# Altium PCB fullCURRENT smarts.PcbDoc (part 2 of 2)
Units mil, origin at the board's own origin, x right, y up, seen from the top; angles counter-clockwise.
Board outline 6000 x 1800 mil, 4 copper layers (Top Layer, PWR, GND, Bottom Layer), stack 62 mil thick; 183 components, 160 nets, 700 pads, 325 vias.
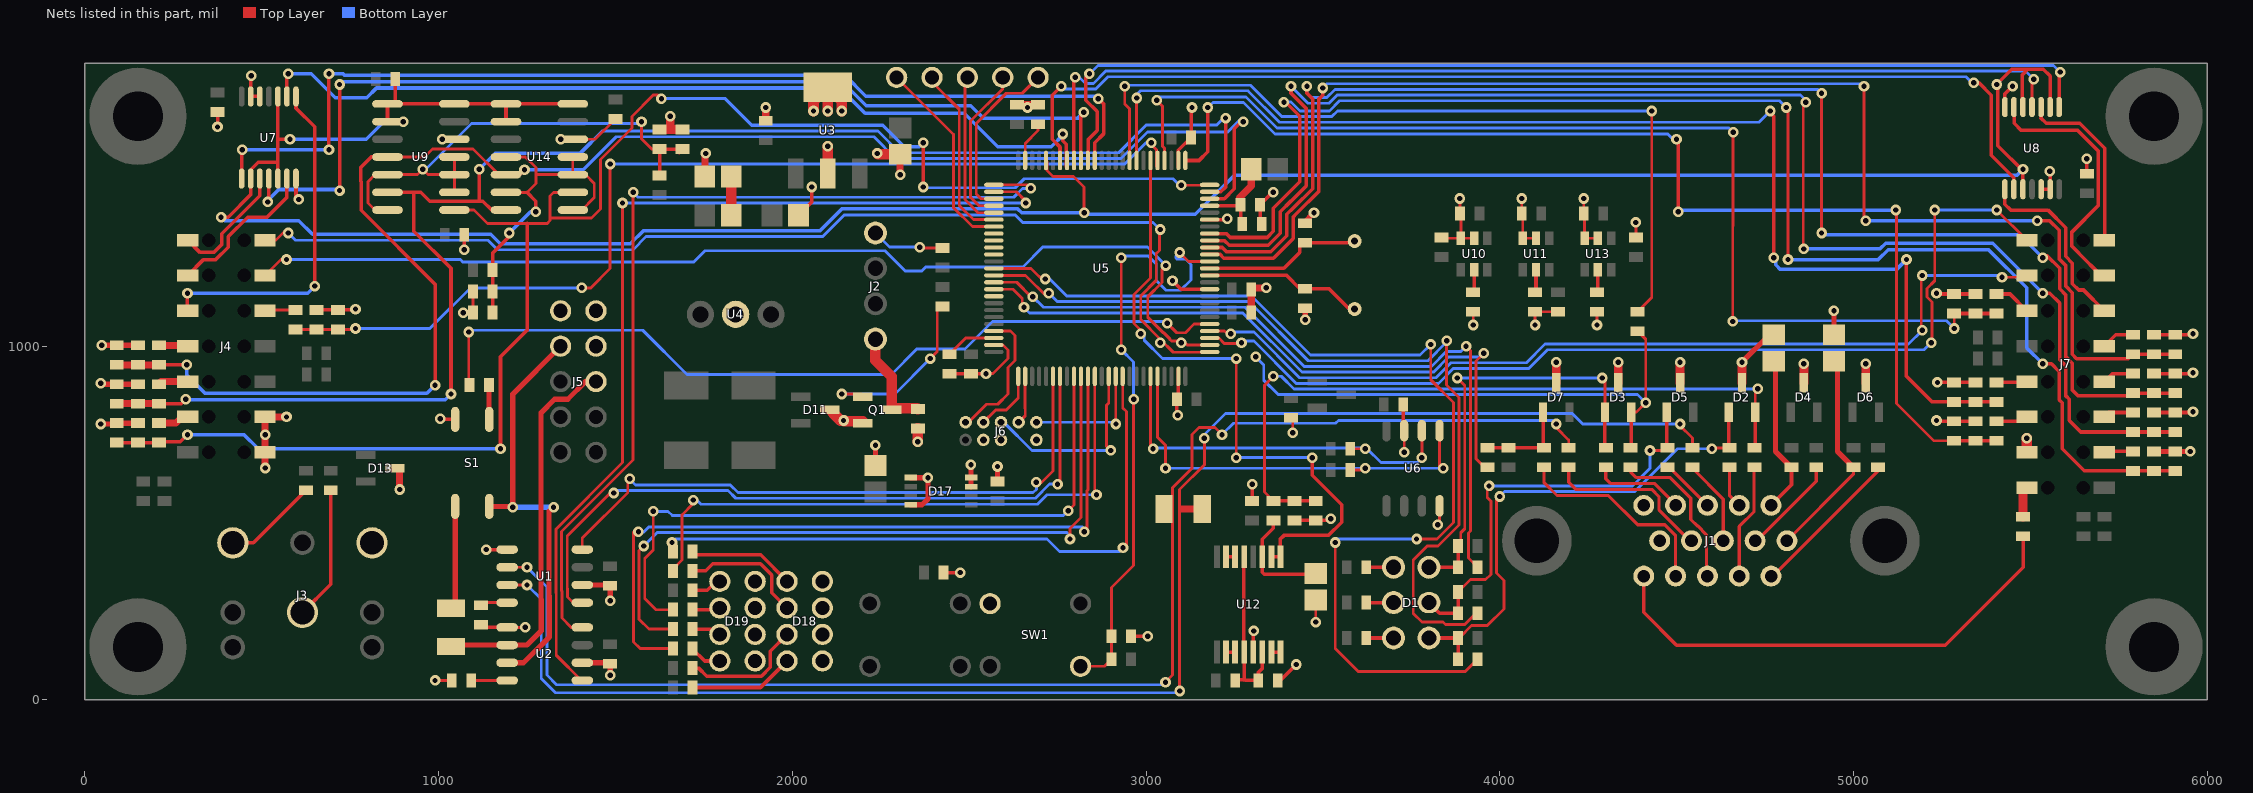
[diagram p4: the nets of this part, all layers, seen from the top]

## Via types
v1: diameter 30, hole 15, Top Layer to Bottom Layer, 319 vias
v2: diameter 50, hole 28, Top Layer to Bottom Layer, 6 vias

## Nets (pads, with @x,y where several pads share a name; then routed paths per layer and width w, separated by ;. In a path a pad name is that pad's centre, name@x,y a point inside that pad or via, vN(x,y) a via of type N, cw(c..) or ccw(c..) an arc to the next point about the centre after c; other vN are vias at no path point) (continued)
GND: C1.1 C2.1 C3.2 C4.2 C5.1 C6.1 C7.1 C8.2 C9.2 C10.2 C11.1 C12.1 C13.1 C14.1 C15.1 C16.1 C17.1 C18.1 C19.2 C20.2 C21.2 C22.2 C23.1 C24.1 C25.1 C26.1 C27.2 C28.1 C29.1 C30.1 C31.1 C32.1 C33.2 C34.1 C35.1 C36.1 C37.1 C38.2 C39.2 C40.1 C41.1 C42.1 C43.1 C44.1 C45.1 C46.1 C47.1 C48.1 C49.1 C50.1 D2.3 D3.3 D4.3 D5.3 D6.3 D7.3 D11.3 D13.3 D17.3 D17.4 D17.5 D17.8 D18.1 D18.3 D18.5 D18.7 D19.1 D19.3 D19.5 D19.7 J1.5 J1.10 J3.GND J4.12 J4.14 J5.8 J5.9 J5.10 J6.3 J6.5 J6.9 J7.13 Q1.2 R1.1 R10.1 R14.1 R15.1 R21.2 R36.1 R37.2 R42.2 R53.2 R56.2 R62.1 R63.1 R64.1 R66.2 R67.2 R71.1 R72.1 R73.1 R79.1 R80.1 R81.1 R83.1 R85.1 S1.2 SW1.2 U1.2 U1.5 U2.2 U2.5 U3.2 U3.4 U4.2 U5.10 U5.20 U5.27 U5.74 U5.99 U6.4 U6.7 U7.7 U7.12 U7.13 U8.7 U8.12 U8.13 U9.12 U10.2 U10.3 U11.2 U11.3 U12.13 U13.2 U13.3 U14.12 | length 6976.8
  Top Layer w8: v1(990,55) R10.1@1037.44,55 ; v1(1010,1585) U9.12@1044.49,1585 ; v1(1070,1095) C44.1@1097.44,1095 R53.2@1097.44,1155 ; U2.5@1193.7,205 v1(1245,205) ; v1(1345,1585) U14.12@1379.49,1585 1442.56,1585 C45.1@1500,1642.44 ; v1(2547.56,922.44) 2567.44,922.44 2610,965 2610,989 2608.44,990.56 2608.44,990.78 2598.54,1000.68 2598.32,1000.68 2595.54,1003.46 U5.74@2569.88,1003.46 ; v1(3415,755) R37.2@3415,797.44 ; v1(3480,220) C39.2@3480,282.6 ; v1(3730,700) U6.7@3730,761.3 ; v1(3825,495) 3830,490 U6.4@3830,548.7 ; C18.1@3837.56,1305 U10.3@3890.2,1305 ; C17.1@3887.44,1375 v1(3887.44,1417.56) ; C17.1@3890.2,1372.24 U10.3@3890.2,1305 ; v1(3925,1060) R14.1@3925,1097.44 ; U10.2@3927.6,1305 U10.3@3890.2,1305 ; C26.1@4062.44,1375 v1(4062.44,1417.44) ; C26.1@4065.2,1372.24 U11.3@4065.2,1305 U11.2@4102.6,1305 ; v1(4100,1060) R15.1@4100,1097.44 C31.1@4165,1097.44 ; C32.1@4237.44,1375 v1(4237.44,1417.44) ; C32.1@4240.2,1372.24 U13.3@4240.2,1305 U13.2@4277.6,1305 ; v1(4275,1060) R36.1@4275,1097.44 ; C34.1@4385,1307.56 v1(4385,1350)
  Top Layer w10: v1(375,1620) C28.1@375,1662.44 ; v1(470,1765) 468.82,1763.82 U7.13@468.82,1706.14 U7.12@494.41,1706.14 ; U7.7@596.77,1473.86 596.77,1423.23 v1(605,1415) ; R73.1@655,1102.56 C43.1@715,1102.56 762.56,1102.56 v1(765,1105) ; v1(1005,795) 1006.97,793.03 S1.2@1046.77,793.03 ; v1(1072.56,1272.56) C29.1@1072.56,1315 ; R1.1@1120,212.44 1127.44,205 U2.5@1193.7,205 ; v1(1135,425) U1.5@1193.7,425 ; C7.1@2017.4,1370 2055,1407.6 v1(2055,1450) ; R56.2@2427.56,360 v1(2475,360) ; C20.2@2445,922.44 C16.1@2505,922.44 v1(2547.56,922.44) ; U5.74@2546.54,1003.46 U5.74@2569.88,1003.46 ; C13.1@2635,1687.56 C21.2@2695,1687.56 ; C33.2@2957.56,180 v1(3005,180) ; v1(3075,1185) 3099.06,1160.94 U5.10@3160.43,1160.94 ; v1(3090,805) 3087.44,807.56 C11.1@3087.44,850 3091.54,854.09 U5.99@3091.54,934.57 ; U5.27@3091.54,1505.43 3091.54,1553.98 C15.1@3127.56,1590 3127.56,1667.56 3130,1670 v1(3130,1675) ; U5.20@3160.43,1357.8 U5.20@3197.74,1357.8 ; U5.20@3180.12,1357.8 3227.8,1357.8 v1(3230,1360) ; C40.1@3300,562.56 v1(3300,610) ; U12.13@3303.23,135.32 3303.23,193.23 v1(3305,195) ; C23.1@3322.56,1340 C24.1@3322.56,1400 v1@3357.56,1435 ; R66.2@3372.56,55 3380,55 v1(3425,100) ; C38.2@3420,507.44 R67.2@3480,507.44 3522.56,507.44 v1@3525,505 ; U6.7@3727.56,763.74 C27.2@3727.56,835 ; v1(5235,790) 5237.44,787.56 C48.1@5285,787.56 R81.1@5345,787.56 ; v1(5235,1150) 5240,1150 5242.44,1147.56 C37.1@5285,1147.56 R64.1@5345,1147.56 ; v1(5237.56,897.56) C50.1@5285,897.56 R85.1@5345,897.56 ; U8.7@5428.23,1676.14 5428.23,1713.17 5450,1734.95 v1(5450,1735) ; U8.12@5530.59,1443.86 U8.13@5556.18,1443.86 5556.18,1493.82 v1(5555,1495) ; C30.1@5660,1487.56 v1(5660,1530) ; R80.1@5850,812.56 C47.1@5910,812.56 5952.56,812.56 5955,815 v1(5960,815) ; R72.1@5850,922.56 C42.1@5910,922.56 5957.56,922.56 v1(5960,925) ; R63.1@5850,1032.56 C36.1@5910,1032.56 5957.56,1032.56 v1(5960,1035)
  Top Layer w15: v1(45,780) 87.44,780 C46.1@90,782.56 R79.1@150,782.56 ; v1(45,895) 47.44,892.56 C41.1@90,892.56 R71.1@150,892.56 ; v1(47.44,1002.56) C35.1@90,1002.56 R62.1@150,1002.56 ; U2.2@1406.3,105 C2.1@1482.44,105 ; U1.2@1406.3,325 C1.1@1482.44,325 ; v1@1485,65 v1(1485,70) C2.1@1485,102.44 C2.1@1485,107.44 ; v1(1485,280) C1.1@1485,322.44 ; C22.2@2235,662.4 v1(2235,720) ; D17.8@2334.55,551.61 2366.61,551.61 2383.39,568.39 v1(2383.39,628.39) D17.5@2334.55,628.39 ; v1@2505,660 2505.45,659.55 D17.4@2505.45,628.39 D17.3@2505.45,602.8 ; C19.2@2580,617.56 v1(2580,660) ; C10.2@3445,1347.56 v1(3475,1377.56) ; v1(3450,1075) C9.2@3450,1107.44 ; v1(4685,955) 4762.4,1032.4 C3.2@4775,1032.4 ; C4.2@4945,1032.4 v1(4945,1100) ; R83.1@5850,702.56 C49.1@5910,702.56 v1(5952.44,702.56)
  Top Layer w20: v1(509.5,655.5) J4.14@509.5,700 v1(509.5,749.5) J4.12@509.5,800 v1(570,800) ; v1(890,595) D13.3@890,648.66 ; C8.2@1752.6,1480 1752.6,1542.6 v1(1755,1545) ; C5.1@1925,1637.56 v1(1925,1675) ; v1(2305,1485) C6.1@2305,1542.6 ; C12.1@3297.56,1095 C14.1@3297.56,1160 3302.56,1165 v1(3340,1165)
  Top Layer w25: R42.2@1625,1612.56 1655,1612.56 ; v1(1655,1650) 1655,1612.56 ; C25.1@1690,1612.56 1655,1612.56 ; D7.3@4160,896.34 v1(4160,955) ; D3.3@4335,896.34 v1(4335,955) ; D5.3@4510,896.34 v1(4510,955) ; D2.3@4685,896.34 v1(4685,955) ; D4.3@4860,896.34 v1(4860,950) ; D6.3@5035,896.34 v1(5035,950)
  Top Layer w30: v1(2060,1665) 2060,1692.05 U3.4@2100,1732.05 ; U3.2@2100,1487.95 v1(2100,1565) ; v1(2100,1665) U3.4@2100,1732.05 ; D11.3@2115,815 2115,811.34 2136.34,790 v1(2145,790) 2147.4,787.6 Q1.2@2198.66,787.6 ; v1(2140,1665) 2140,1692.05 U3.4@2100,1732.05 ; v1(2240,1545) 2242.4,1542.6 C6.1@2305,1542.6 ; v1(2355,730) R21.2@2355,767.44 ; v1(5490,740) 5490.5,739.5 J7.13@5490.5,700
  other v1: 3522.56,512.44 2505,665 3360,1435 2665,1675
H\W\_\I\E\R\R\O\R\: R50.2 U5.46 U7.2 U7.5 U7.10 U8.2 U8.5 U8.10 U9.1 U9.2 U9.14 U14.1 U14.2 U14.14 | length 7703
  Top Layer w8: U5.46@2717.52,1525.12 2720.3,1522.34 2720.3,1496.46 2736.76,1480 2795,1480 2825,1450 v1(2825,1377)
  Top Layer w10: v1(385,1365) 405,1365 468.82,1428.82 U7.2@468.82,1473.86 468.82,1498.82 490,1520 545.59,1520 ; U7.5@545.59,1473.86 545.59,1520 ; U7.10@545.59,1706.14 545.59,1585 ; v1(580,1585) 545.59,1585 ; U9.2@855.51,1635 U9.1@855.51,1685 ; U9.1@877.56,1685 U9.14@1044.49,1685 U14.1@1190.51,1685 ; U9.1@877.56,1687.44 R50.2@877.56,1755 ; U14.2@1190.51,1635 U14.1@1190.51,1685 ; U14.14@1379.49,1685 U14.1@1190.51,1685 ; U8.10@5479.41,1443.86 v1@5479.41,1495.59 ; v1(5479.41,1500.59) v1@5479.41,1495.59 ; U8.5@5479.41,1676.14 5478,1677.55 5478,1767.6 5493.4,1783 ; U8.2@5556.18,1676.14 5556.18,1763.82 5537,1783 5493.4,1783 ; 545.59,1520 545.59,1585 ; v1@5479.41,1495.59 5408,1567 5408,1743 5448,1783 5493.4,1783
  Bottom Layer w10: v1(385,1365) 395,1355 605,1355 643.56,1316.44 906.58,1316.44 906.7,1316.56 1147,1316.56 1174.08,1289.47 1542.25,1289.47 1579.77,1327 2078.96,1327 2139.96,1388 2637.4,1388 2648.4,1377 v1(2825,1377) 2829,1373 3139.37,1373 3250.07,1483.7 5462.52,1483.7 v1(5479.41,1500.59) ; v1(580,1585) 795,1585 845,1635 v1(900,1635)
  other v1: 5405,1740
HALLU: R8.1 U5.63 | length 2978.5
  Top Layer w8: U5.63@2589.57,1220 2675,1220 2715,1180 v1(2715,1190) ; v1(3535,445) 3535,145 3600,80 3902.56,80 R8.1@3937.56,115 ; v1(3765,455) 3823.18,455 3869.31,501.13 3869.31,840.69 3805,905 v1(3805,1005)
  Bottom Layer w8: v1(2715,1190) 2728,1190 2776,1142 3298.25,1142 3465.25,975 3775,975 v1(3805,1005) ; v1(3535,445) 3535,450 3540,455 v1(3765,455)
HALLV: R9.1 U5.64 | length 2461.7
  Top Layer w8: U5.64@2589.57,1200.31 2659.69,1200.31 2720,1140 2720,1145 v1(2725,1150) ; v1(3850,1015) 3850,890 3885.31,854.69 3885.31,494.5 3825.81,435 3795,435 3755.5,395.5 3755.5,244.5 3780,220 3840,220 3846.69,213.31 3901.19,213.31 3932.88,245 R9.1@3937.56,245
  Bottom Layer w8: v1(2725,1150) 2749,1126 3291.63,1126 3458.63,959 3797.18,959 3850,1011.82 v1(3850,1015)
HALLW: R11.1 U5.65 | length 2080.5
  Top Layer w8: U5.65@2589.57,1180.63 2634.37,1180.63 2675,1140 v1(2680,1140) ; v1(3905,1000) 3917.31,987.69 3917.31,477.31 3911.78,471.78 3911.78,400.78 R11.1@3937.56,375
  Bottom Layer w8: v1(2680,1140) 2710,1110 3280.25,1110 3447.25,943 3806.93,943 3848.93,985 3890,985 v1(3905,1000)
HEARTBEAT: R34.1 U5.91 | length 1841.9
  Top Layer w8: v1(1660,445) 1662.44,447.44 R34.1@1662.44,420 ; U5.91@2934.06,934.57 2934.06,825.94 2945,815 2945,440 v1(2935,430)
  Bottom Layer w8: v1(1660,445) 1670,455 2720,455 2755,420 2925,420 v1(2935,430)
HW_IFAULT_TRIP_NEG: C44.2 R51.2 R53.1 U14.4 U14.6 U14.8 U14.10 U14.11 | length 987
  Top Layer w8: U14.6@1190.51,1435 1250,1435 1275,1460 1275,1485 ; U14.4@1190.51,1535 1245,1535 1275,1505 1275,1485 ; U14.8@1379.49,1385 1405,1385 1440,1420 1440,1460 1415,1485 U14.10@1379.49,1485 ; U14.11@1379.49,1535 U14.10@1379.49,1485 ; 1275,1485 U14.10@1379.49,1485
  Top Layer w10: C44.2@1152.56,1095 R53.1@1152.56,1155 R51.2@1152.56,1215 1152.56,1262.56 1200,1310 v1(1200,1320) ; 1250,1435 1275,1410 v1(1275,1380)
  Bottom Layer w10: v1(1200,1320) 1260,1380 v1(1275,1380)
HW_IFAULT_TRIP_POS: C25.2 R35.2 R42.1 U9.5 U9.7 U9.9 U9.10 U9.11 | length 1429.5
  Top Layer w8: U9.7@855.51,1385 820,1385 800,1405 800,1465 820,1485 U9.5@855.51,1485 940,1485 v1(955,1500) 970,1485 U9.10@1044.49,1485 ; U9.9@1044.49,1435 U9.10@1044.49,1485 ; U9.11@1044.49,1535 U9.10@1044.49,1485 ; v1(1573.55,1635) 1573.55,1586.45 1602.56,1557.44 R42.1@1625,1557.44
  Top Layer w10: R35.2@1625,1482.56 R42.1@1625,1557.44 C25.2@1690,1557.44 C25.2@1680,1547.44
  Bottom Layer w8: v1(955,1500) 963.18,1500 1093.18,1630 1568.55,1630 v1(1573.55,1635)
I_ERROR_LED: R48.1 U5.84 | length 1938.7
  Top Layer w8: v1(1607,533) 1607,423.82 1583,399.82 1583,287 1615,255 R48.1@1662.44,255 ; v1(2780,535) 2796.26,551.26 U5.84@2796.26,934.57
  Bottom Layer w8: v1(1607,533) 1648.82,533 1660.82,521 2766,521 v1(2780,535)
IA_ADC: C35.2 R59.1 R62.2 U5.23 U9.4 U14.5 | length 4616.4
  Top Layer w8: U9.4@855.51,1535 960,1535 982.83,1557.83 1097.17,1557.83 1170,1485 U14.5@1190.51,1485
  Top Layer w10: R59.1@210,947.44 v1(287.56,947.44) ; U9.4@855.51,1535 810,1535 780.5,1505.5 780.5,1465.77 781,1465.27 781,1384 990,1175 v1(990,890) ; U14.5@1190.51,1485 1228.82,1485 v1(1242.82,1499) ; U5.23@3160.43,1416.85 3221.85,1416.85 3250,1445 3250,1615 v1@3272.5,1637.5
  Top Layer w20: C35.2@90,947.44 R62.2@150,947.44 R59.1@210,947.44
  Bottom Layer w8: 1501,1592 2231.18,1592 2292.18,1531 2929.43,1531 3004.43,1606 3231,1606 v1@3267.5,1642.5
  Bottom Layer w10: v1(287.56,947.44) 287.56,918.6 337.16,869 ; 339.16,867 967,867 v1(990,890) ; v1(1242.82,1499) 1409,1499 1501,1591
  other v1: 3275,1635
IA_RAW: J4.7 R59.2 | length 81.6
  Top Layer w20: R59.2@210,1002.56 287.94,1002.56 J4.7@290.5,1000
IB_ADC: C41.2 R68.1 R71.2 U5.24 U9.6 U14.7 | length 4516.3
  Top Layer w8: U14.7@1150,1385 U14.7@1190.51,1385
  Top Layer w10: R68.1@210,837.44 272.44,837.44 v1(285,850) v1@290,855 ; U9.6@855.51,1435 930,1435 ; v1(1035,865) 1035,1220 930,1325 930,1435 ; v1(1115,1500) 1115,1410 ; U14.7@1150,1385 1125,1410 1115,1410 ; U5.24@3160.43,1436.54 3211.54,1436.54 3225,1450 v1@3225,1650 ; 930,1435 950,1435 975,1410 1115,1410
  Top Layer w20: C41.2@90,837.44 R71.2@150,837.44 R68.1@210,837.44
  Bottom Layer w8: 1462.81,1608 2242,1608 2303,1547 2922.8,1547 3000.8,1625 3200,1625 v1@3225,1650
  Bottom Layer w10: v1(285,850) 286,849 1019,849 v1(1035,865) ; v1(1115,1500) 1160,1545 1399.81,1545 1462.81,1608
  other v1: 3225,1645
IB_RAW: J4.9 R68.2 | length 82.6
  Top Layer w20: R68.2@210,895 215,900 J4.9@290.5,900
IC_ADC: C46.2 R76.1 R79.2 U5.25 U9.8 U14.9 | length 4511.7
  Top Layer w8: U9.8@1044.49,1385 1100,1385 1138,1347 1250,1347 1307,1347 1315,1355 1315,1425 1325,1435 U14.9@1379.49,1435 ; 1315,1362.17 1432.17,1362.17 1458,1388 1458,1528 1546.55,1616.55 1546.55,1649.63 1606.92,1710 1620,1710 v1(1630,1700) ; v1(3100,1455) 3159.21,1455 U5.25@3160.43,1456.22
  Top Layer w10: C46.2@90,727.44 R79.2@150,727.44 R76.1@210,727.44 212.06,729.5 269.5,729.5 v1(290,750) ; v1(1175,710) 1175,970 1250,1045 1250,1347 ; v1(2370,1450) v1(2370,1575)
  Bottom Layer w8: v1(1630,1700) 1810,1700 ; v1@2362,1448 2630.37,1448 2655.59,1473.22 3076.78,1473.22 3095,1455 v1(3100,1455)
  Bottom Layer w10: v1(290,750) 450,750 490,710 v1@1165,710 ; v1@1170,705 v1(1175,710) ; 1810,1700 1885,1625 2255.4,1625 2316.4,1564 2359,1564 v1(2370,1575)
IC_RAW: J4.11 R76.2 | length 87.7
  Top Layer w20: R76.2@210,782.56 257.56,782.56 275,800 J4.11@290.5,800
JSWCLK: J6.4 U5.76 | length 208.1
  Top Layer w8: J6.4@2540,785 2575,820 2605,820 2638.78,853.78 U5.76@2638.78,934.57
JSWDIO: J6.2 U5.72 | length 372.2
  Top Layer w8: J6.2@2490,785 2497.97,785 2548.97,836 2581,836 2610,865 2610,940 2630,960 2630,1030 2617.17,1042.83 U5.72@2589.57,1042.83
JTDI: J6.8 U5.77 | length 157.6
  Top Layer w8: J6.8@2640,785 2658.46,803.46 2658.46,823.35 2658,823.82 2658,934.1 U5.77@2658.46,934.57
JTDO: J6.6 U5.89 | length 580
  Top Layer w8: U5.89@2894.69,934.57 2894.69,839.69 2888,833 2888,717.28 v1(2900,705.28)
  Bottom Layer w8: J6.6@2590,785 2597.97,785 2677.69,705.28 v1(2900,705.28)
LCAN_RX: U2.4 U5.51 | length 2594.7
  Top Layer w8: U2.4@1406.3,205 1375,205 1348.5,231.5 1348.5,307.8 1347.79,308.51 1347.79,475.97 1550,678.18 v1(1550,1435) ; U5.51@2589.57,1456.22 2663.78,1456.22 v1(2673.78,1446.22) v1@2673.78,1456.22
  Bottom Layer w8: v1(1550,1435) 1564,1421 2626,1421 2651.22,1446.22 v1(2673.78,1446.22)
LCAN_TX: U2.1 U5.52 | length 2686.6
  Top Layer w8: U2.1@1406.3,55 1403.92,55 1332.5,126.42 1332.5,301.17 1331.79,301.88 1331.79,482.6 1520,670.81 v1(1520,1405) ; U5.52@2589.57,1436.54 2633.46,1436.54 2660,1410 v1(2660,1405)
  Bottom Layer w8: v1(1520,1405) v1(2660,1405)
LCANH: J5.7 S1.4 U2.7 | length 1222.8
  Top Layer w8: 1313,533 v1(1325,545) v1@1330,545
  Top Layer w15: S1.4@1143.23,546.97 v1@1208.03,546.97 ; U2.7@1193.7,105 1240,105 1313,178 1313,293.09 1312.29,293.81 1312.29,532.29 1313,533 ; v1(1210,545) 1210,865 J5.7@1345,1000
  Bottom Layer w15: v1(1210,545) v1(1325,545) v1@1330,545
LCANL: J5.6 R16.2 U2.6 | length 1082.5
  Top Layer w15: R16.2@1035,150.87 1039.13,155 U2.6@1193.7,155 1250,155 1290,195 1290,283.57 1289.29,284.28 1289.29,811.66 1327.63,850 1365,850 1415,900 J5.6@1445,900
MCAN_RX: U1.4 U5.81 | length 1793
  Top Layer w8: U1.4@1406.3,425 1406.3,458.12 1535,586.82 1535,620 v1(1540,625) ; v1(2690,615) 2705,615 2737.2,647.2 U5.81@2737.2,934.57
  Bottom Layer w8: v1(1540,625) 1557,608 1824.63,608 1846.63,586 2680.75,586 2690,595.25 v1(2690,615)
MCAN_TX: U1.1 U5.82 | length 2034.1
  Top Layer w8: U1.1@1406.3,275 1380,275 1364.5,290.5 1364.5,314.42 1363.79,315.14 1363.79,463.53 1485.25,585 v1(1495,585) ; v1(2750,610) 2750,605 2755,600 2756.89,601.89 U5.82@2756.89,934.57
  Bottom Layer w8: v1(1495,585) 1502,592 1818,592 1840,570 2687.37,570 2727.37,610 v1(2750,610)
MCANH: R12.1 U1.7 X7.1 | length 4438.9
  Top Layer w8: U1.7@1193.7,325 v1(1250,325) ; v1(3095,25) 3095,595 3165,665 v1@3165,750 ; v1(4510,780) 4510,775 4545,740 X7.1@4545,712.56
  Top Layer w20: 3100,540 R12.1@3159.13,540
  Bottom Layer w8: v1(1250,325) 1290,285 1290,60 1330,20 3090,20 v1(3095,25) ; v1@3165,750 3225,810 4205,810 4235,780 v1(4510,780)
  other v1: 3165,740
MCANL: R12.2 U1.6 X8.1 | length 4041.9
  Top Layer w8: U1.6@1193.7,375 v1(1250,375) ; v1(3055,50) 3075,70 3075,600 3130,655 3130,750 3150,770 3195,770 v1(3215,750) ; v1(4160,780) 4160,770 4195,735 X8.1@4195,712.56
  Bottom Layer w8: v1(1250,375) 1306,319 1306,70 1333,43 3062,43 v1(3055,50) ; v1(3215,750) 3247,782 3536.18,782 3544.18,790 4150,790 v1(4160,780)
MOT_AUX: R13.2 U5.34 | length 2334.3
  Top Layer w8: v1(2940,1735) 2940,1685 2953.74,1671.26 U5.34@2953.74,1525.12 ; R13.2@4390,1097.56 4430,1137.56 v1(4430,1665)
  Bottom Layer w8: v1(2940,1735) 2943,1738 3294.63,1738 3383.63,1649 3525.07,1649 3541.07,1665 v1(4430,1665)
MOT_CS: U5.67
MOT_ERROR_LED: R46.1 U5.86 | length 2185.2
  Top Layer w8: v1(1565,475) 1551,475 1551,164 1570,145 R46.1@1662.44,145 ; v1(2825,475) 2833,483 2833,591.18 2835.63,593.81 U5.86@2835.63,934.57
  Bottom Layer w8: v1(1565,475) 1580,475 1594,489 2820,489 2825,484 v1(2825,475)
MOTOR_PRESENT: R19.2 U5.66 | length 1845
  Top Layer w8: U5.66@2589.57,1160.94 2624.06,1160.94 2650,1135 2650,1115 v1(2655,1110) ; v1(3955,980) 3933.31,958.31 3933.31,681.69 R19.2@3957.56,657.44
  Top Layer w10: R19.2@3957.56,657.44 R19.2@3965,657.44
  Bottom Layer w8: v1(2655,1110) 2671,1094 3273.63,1094 3440.63,927 3813.56,927 3855.56,969 3944,969 v1(3955,980)
MOTTEMP1_ADC: U5.31 U12.1 U12.2 | length 1781.6
  Top Layer w8: v1@2995,1035 2966,1064 2966,1146 3012.8,1192.8 U5.31@3012.8,1505.43 ; v1(3255,685) v1(3255,965)
  Top Layer w10: U12.2@3354.41,405 U12.1@3380,405 3380,455 3390,465 3515.4,465 3553,502.6 3553,552 3470,635 v1(3470,685)
  Bottom Layer w8: v1@2995,1035 2995,1016.82 3046.82,965 v1(3255,965) ; v1(3255,685) v1(3470,685)
  other v1: 2985,1035
MOTTEMP1_IN: C38.1 D2.2 R65.2 R67.1 X11.1 | length 2039.6
  Top Layer w8: R65.2@3360,562.56 3335,587.56 3335,825.08 3334.63,825.45 3334.63,889.63 v1(3360,915) ; D2.2@4722.4,813.66 v1@4722.4,872.4
  Top Layer w10: R65.2@3360,562.56 C38.1@3420,562.56 R67.1@3480,562.56 ; X11.1@4720,712.56 4722.4,714.96 D2.2@4722.4,813.66
  Bottom Layer w8: v1(3360,915) 3382.37,915 3418.37,879 4729,879 v1(4730,880)
NetC3_1: C3.1 J1.1 X1.2 | length 452.4
  Top Layer w10: J1.1@4767.2,550 4825,607.8 X1.2@4825,657.44
  Top Layer w15: C3.1@4775,957.6 4780,952.6 4780,702.17 4824.73,657.44 X1.2@4825,657.44
NetC4_1: C4.1 J1.6 X5.2 | length 608.3
  Top Layer w9: J1.6@4812.18,450 5000,637.82 X5.2@5000,657.44
  Top Layer w15: C4.1@4945,957.6 4955,947.6 4955,702.17 4999.73,657.44 X5.2@5000,657.44
NetC8_1: C8.1 R23.2 | length 110
  Top Layer w30: R23.2@1827.4,1370 C8.1@1827.4,1480
NetC23_2: C23.2 C24.2 L1.2 U5.22 | length 250.4
  Top Layer w10: U5.22@3180.12,1397.17 C24.2@3264.61,1397.17 ; C23.2@3267.44,1340 C24.2@3267.44,1400
  Top Layer w20: C24.2@3265,1407.56 3265,1420 3297.6,1452.6 L1.2@3297.6,1500
NetC39_1: C39.1 R65.1 U12.3 | length 313.9
  Top Layer w10: R65.1@3360,507.44 3360,485 3328.82,453.82 U12.3@3328.82,405 3328.82,361.18 3335,355 3477.6,355 C39.1@3480,357.4
NetD1_1: D1.1 D2.1 R6.2 R8.2 X2.1 | length 1445.5
  Top Layer w8: R6.2@3882.44,175 3885.5,175 3920.5,210 3965,210 4012,257 4012,338 3991,359 3991,566 v1(4000,575) ; v1(4600,710) 4602.56,712.56 X2.1@4650,712.56
  Top Layer w10: D1.1@3800,175 R6.2@3882.44,175 R8.2@3882.44,115 ; D2.1@4647.6,813.66 4647.6,714.96 X2.1@4650,712.56
  Bottom Layer w8: v1(4000,575) 4014,589 4381.63,589 4502.63,710 v1(4600,710)
NetD1_2: D1.2 R4.1 | length 87.4
  Top Layer w10: R4.1@3622.56,175 D1.2@3710,175
NetD1_3: D1.3 D5.1 R7.2 R9.2 X3.1 | length 1192.5
  Top Layer w8: R7.2@3882.44,305 3917.44,340 3960,340 3975,355 3975,561.82 3965,571.82 3965,595 v1@3975,595 ; v1(4425,705) X3.1@4467.44,705
  Top Layer w10: D1.3@3800,275 3830,245 R9.2@3882.44,245 R7.2@3882.44,305 ; D5.1@4472.6,813.66 4472.6,714.96 X3.1@4475,712.56
  Bottom Layer w8: v1(3970,605) 4375,605 4425,655 v1(4425,705)
NetD1_4: D1.4 R3.1 | length 87.4
  Top Layer w10: R3.1@3622.56,275 D1.4@3710,275
NetD1_5: D1.5 D3.1 R5.2 R11.2 X4.1 | length 1245.7
  Top Layer w8: v1(3880,910) 3901.31,888.69 3901.31,483.94 3890,472.63 3890,442.56 R5.2@3882.44,435 ; v1(4290,910) 4297.6,902.4 D3.1@4297.6,813.66
  Top Layer w10: D1.5@3800,375 R11.2@3882.44,375 R5.2@3882.44,435 ; D3.1@4297.6,813.66 4297.6,714.96 X4.1@4300,712.56
  Bottom Layer w8: v1(3880,910) v1(4290,910)
NetD1_6: D1.6 R2.1 | length 87.4
  Top Layer w10: R2.1@3622.56,375 D1.6@3710,375
NetD3_2: D3.2 R13.1 X12.1 | length 1547.7
  Top Layer w8: D3.2@4372.4,813.66 4386.66,813.66 v1(4413,840) 4413,1019.44 R13.1@4390,1042.44
  Top Layer w10: X12.1@4370,712.56 4372.4,714.96 D3.2@4372.4,813.66
  Bottom Layer w8: v1(3310,970) 3333,947 3333,903.82 3373.82,863 4390,863 v1(4413,840)
NetD7_1: D7.1 R18.1 R19.1 X13.1 | length 262.1
  Top Layer w10: R19.1@3965,712.56 R18.1@4025,712.56 X13.1@4125,712.56 4122.6,714.96 D7.1@4122.6,813.66
NetD18_2: D18.2 R40.2 | length 298.5
  Top Layer w10: R40.2@1717.56,35 1910,35 D18.2@1985,110
NetD18_4: D18.4 R39.2 | length 352.7
  Top Layer w10: R39.2@1717.56,90 1735,90 1758,67 1912.81,67 1938,92.19 1938,138 D18.4@1985,185
NetD18_6: D18.6 R45.2 | length 356.8
  Top Layer w10: R45.2@1717.56,365 1755,365 1775,385 1910,385 1942,353 1942,303 D18.6@1985,260
NetD18_8: D18.8 R34.2 | length 302.9
  Top Layer w10: R34.2@1717.56,420 1727.56,410 1910.46,410 1985,335.46 D18.8@1985,335
NetD19_2: D19.2 R46.2 | length 91.9
  Top Layer w10: R46.2@1717.56,145 1752.56,110 D19.2@1795,110
NetD19_4: D19.4 R47.2 | length 83.7
  Top Layer w10: R47.2@1717.56,200 1780,200 D19.4@1795,185
NetD19_6: D19.6 R48.2 | length 79.5
  Top Layer w10: R48.2@1717.56,255 1790,255 D19.6@1795,260
NetD19_8: D19.8 R49.2 | length 87.8
  Top Layer w10: R49.2@1717.56,310 1760,310 1785,335 D19.8@1795,335
NetJ1_2: J1.2 X2.2 | length 118.7
  Top Layer w9: X2.2@4650,657.44 4650,577.24 J1.2@4677.24,550
NetJ1_3: J1.3 X3.2 | length 156.8
  Top Layer w9: X3.2@4475,657.44 4479.84,657.44 J1.3@4587.28,550
NetJ1_4: J1.4 X4.2 | length 261.8
  Top Layer w9: X4.2@4300,657.44 4300,625 4313,612 4437.04,612 4497.32,551.72 J1.4@4497.32,550
NetJ1_7: J1.7 X6.2 | length 281.6
  Top Layer w9: J1.7@4722.22,450 4726.64,450 4895,618.36 X6.2@4895,657.44
NetJ1_8: J1.8 X7.2 | length 243.6
  Top Layer w9: X7.2@4545,657.44 4545,655 4632.26,567.74 J1.8@4632.26,450
NetJ1_9: J1.9 X8.2 | length 479.8
  Top Layer w9: X8.2@4195,657.44 4195,615 4215,595 4430,595 4450,575 4450,537.89 4537.89,450 J1.9@4542.3,450
NetJ1_11: J1.11 X10.2 | length 433
  Top Layer w10: J1.11@4767.2,350 4772.33,350 X10.2@5074.88,652.56
NetJ1_12: J1.12 X11.2 | length 324.8
  Top Layer w9: J1.12@4677.24,350 4677.24,490.56 4719.27,532.59 X11.2@4719.27,657.44
NetJ1_13: J1.13 X12.2 | length 454.7
  Top Layer w9: X12.2@4370,657.44 4370,644 4385,629 4481,629 4540,570 4540,510 4557.97,492.03 4559.71,492.03 4584.33,467.41 4584.33,352.95 J1.13@4587.28,350
NetJ1_14: J1.14 X13.2 | length 591.6
  Top Layer w9: X13.2@4125,657.44 4125,615 4162,578 4307,578 4390,495 4466.78,495 4497.32,464.46 J1.14@4497.32,350
NetJ1_15: J1.15 X9.2 | length 1391.9
  Top Layer w10: J1.15@4407.36,350 4407.36,247.64 4500,155 5260,155 5480,375 X9.2@5480,462.44
NetJ2_1: J2.1 Q1.3 R21.1 | length 288.9
  Top Layer w30: J2.1@2235,1020 2235,960 2281.34,913.66 2281.34,825 2352.56,825 R21.1@2355,822.56
NetJ2_4: J2.4 R20.1 | length 192.6
  Top Layer w8: v1(2360,1280) 2362.44,1277.56 R20.1@2410,1277.56
  Bottom Layer w8: J2.4@2235,1320 2275,1280 v1(2360,1280)
NetJ3_uRX: J3.uRX R25.1 | length 378.4
  Top Layer w10: J3.uRX@615,247.17 695,327.17 R25.1@695,592.44
NetJ3_uTX: J3.uTX R24.1 | length 268.3
  Top Layer w10: J3.uTX@418.15,444.02 476.57,444.02 R24.1@625,592.44
NetQ1_1: Q1.1 R22.1 | length 506.9
  Top Layer w8: v1(2140,865) 2196.06,865 Q1.1@2198.66,862.4 ; v1(2390,965) 2410,985 R22.1@2410,1112.44
  Bottom Layer w8: v1(2140,865) 2290,865 v1(2390,965)
NetR1_2: R1.2 U1.8 | length 76.8
  Top Layer w8: R1.2@1120,267.56 1127.44,275 U1.8@1193.7,275
NetR10_2: R10.2 U2.8 | length 101.1
  Top Layer w8: R10.2@1092.56,55 U2.8@1193.7,55
NetR14_2: R14.2 U10.5 | length 61.3
  Top Layer w10: R14.2@3927.6,1155.16 U10.5@3927.6,1216.42
NetR15_2: R15.2 U11.5 | length 61.5
  Top Layer w10: R15.2@4102.6,1154.96 U11.5@4102.6,1216.42
NetR16_1: R16.1 S1.3 | length 292.7
  Top Layer w15: R16.1@1035,259.13 1046.77,270.91 S1.3@1046.77,546.97
NetR17_1: R17.1 S1.1 | length 97.2
  Top Layer w15: R17.1@1142.56,890 1142.56,793.7 S1.1@1143.23,793.03
NetR36_2: R36.2 U13.5 | length 61.3
  Top Layer w10: R36.2@4277.6,1155.16 U13.5@4277.6,1216.42
NetR58_2: R58.2 R66.1 U12.5 U12.12 U12.14 | length 499.1
  Top Layer w10: R58.2@3252.56,55 3254.92,57.36 3277.64,57.36 ; U12.5@3277,404.36 3277,135.95 U12.12@3277.64,135.32 3277.64,57.36 ; U12.14@3328.82,135.32 3328.82,88.82 3317.44,77.44 R66.1@3317.44,55 3280,55 3277.64,57.36
NetU12_6: U12.6 U12.7 | length 25.6
  Top Layer w10: U12.7@3226.46,405 U12.6@3252.05,405
NetU12_10: U12.10 U12.11 | length 25.6
  Top Layer w10: U12.10@3226.46,135.32 U12.11@3252.05,135.32
NetU12_15: U12.15 U12.16 | length 25.6
  Top Layer w10: U12.15@3354.41,135.32 U12.16@3380,135.32
NEUTRAL: J7.15 X9.1 | length 86.8
  Top Layer w25: X9.1@5480,517.56 5480,589.5 J7.15@5490.5,600
NJTRST: J6.10 U5.90 | length 384.8
  Top Layer w8: U5.90@2914.37,934.57 2914.37,785.63 2915,785 v1(2915,780)
  Bottom Layer w8: J6.10@2690,785 2915,785 v1(2915,780)
NRST: C33.1 R52.2 SW1.1 U5.14 | length 1739.2
  Top Layer w8: SW1.1@2815,95 2882.44,95 R52.2@2902.44,115 C33.1@2902.44,180 2902.44,317.44 2965,380 v1(2965,850) ; v1@2930,995 v1@2930,1255 ; v1(3095,1265) 3120.31,1239.68 U5.14@3160.43,1239.68
  Bottom Layer w8: v1(2930,990) 2965,955 v1(2965,850) ; v1(2930,1250) 2935,1255 3006.37,1255 3029,1232.37 3029,1186 3057,1158 3098,1158 3127,1187 3127,1231.18 3111.18,1247 3087,1247 3085,1249 3085,1255 v1(3095,1265)
OSC1: C9.1 U5.12 X14.1 | length 454
  Top Layer w10: U5.12@3160.43,1200.31 3397.24,1200.31 3435,1162.56 3517.44,1162.56 X14.1@3575,1105
OSC2: C10.1 U5.13 X14.2 | length 462.6
  Top Layer w10: U5.13@3160.43,1220 3390,1220 3435,1265 3435,1292.44 3570.31,1292.44 X14.2@3575,1297.13
PWM_A: J7.2 U8.3 | length 507.4
  Top Layer w10: U8.3@5530.59,1676.14 5530.59,1645.59 5530,1645 5545,1630 5640,1630 5710.69,1559.31 5710.69,1301.19 J7.2@5709.5,1300
PWM_A_UC: U5.40 U8.1 | length 3151.3
  Top Layer w10: U5.40@2835.63,1505.43 2837.31,1507.12 2837.31,1585.32 2862,1610 2862,1663.4 2830,1695.4 2830,1760 v1(2840,1770) ; U8.1@5581.77,1676.14 v1@5581.77,1771.77
  Bottom Layer w8: v1(2840,1770) 2864,1794 5566,1794 v1(5585,1775)
PWM_AN: J4.1 U7.3 | length 351.2
  Top Layer w10: J4.1@290.5,1300 325.5,1265 364.54,1265 387,1287.46 387,1317.46 494.41,1424.87 U7.3@494.41,1473.86
PWM_AN_UC: U5.39 U7.1 | length 2951.9
  Top Layer w10: U7.1@443.23,1473.86 443.23,1553.23 v1(445,1555) ; v1(690,1555) v1(690,1770) v1@690,1775 ; U5.39@2855.31,1505.43 2855.31,1575.32 2880,1600 2880,1685 v1(2865,1700)
  Bottom Layer w10: v1(445,1555) v1(690,1555) ; v1@700,1770 729.91,1770 733.91,1766 2149,1766 2208,1707 2858,1707 v1(2865,1700)
PWM_B: J7.4 U8.6 | length 742.9
  Top Layer w10: U8.6@5453.82,1676.14 5455,1674.96 5455,1630 5475,1610 5634.54,1610 5692.69,1551.86 5692.69,1397.69 5618,1323 5618,1282.46 5637,1263.46 5637,1263 5700,1200 J7.4@5709.5,1200
PWM_B_UC: U5.42 U8.4 | length 3070.8
  Top Layer w8: U8.4@5505,1676.14 v1@5505,1750
  Top Layer w10: U5.42@2796.26,1505.43 v1@2796.26,1756.26 ; v1@5505,1755 v1(5510,1755)
  Bottom Layer w8: v1(2800,1760) 2811.82,1760 2828.82,1743 2851.18,1743 2886.18,1778 5487,1778 v1(5510,1755)
PWM_BN: J4.3 U7.6 | length 442.5
  Top Layer w10: J4.3@290.5,1200 335.5,1245 370,1245 405,1280 405,1310 460,1365 515,1365 571.18,1421.18 U7.6@571.18,1473.86
PWM_BN_UC: U5.41 U7.4 | length 2901.8
  Top Layer w10: v1@520,1410.86 U7.4@520,1473.86 ; v1(720,1440) v1(720,1740) ; U5.41@2815.94,1505.43 2815.94,1655.94 2821.54,1661.54 v1(2824.26,1661.54) v1@2824.97,1662.26
  Bottom Layer w10: v1@515,1405.86 v1(517.07,1407.93) 517.07,1412.07 548,1443 717,1443 v1(720,1440) ; v1@715,1745 v1(720,1740) ; v1@729.46,1745 732.46,1748 2141.54,1748 2209.54,1680 2505,1680 2540,1645 2807.72,1645 v1(2824.26,1661.54)
PWM_C: J7.6 U8.8 | length 529.8
  Top Layer w10: U8.8@5428.23,1443.86 5428.23,1401.77 5445,1385 5550,1385 5600,1335 5600,1253.91 5619,1234.91 5619,1176.91 5637,1158.91 5650.59,1158.91 J7.6@5709.5,1100
PWM_C_UC: U5.44 U8.9 | length 3215.1
  Top Layer w10: U5.44@2756.89,1505.43 2756.89,1563.11 2735,1585 2735,1710 v1(2760,1735) ; v1@5340,1740 5345,1745 5355,1745 5390,1710 5390,1540 5453.82,1476.18 U8.9@5453.82,1443.86
  Bottom Layer w8: v1(2760,1735) 2768,1727 2857.81,1727 2892.81,1762 5318,1762 v1@5340,1740
  other v1: 5340,1745
PWM_CN: J4.5 U7.8 | length 976
  Top Layer w10: J4.5@290,1100.5 v1(290,1150) ; U7.8@596.77,1706.14 596.77,1673.23 650,1620 v1(650,1170)
  Bottom Layer w10: v1(290,1150) 630,1150 v1(650,1170)
PWM_CN_UC: U5.43 U7.9 | length 2476.1
  Top Layer w10: U7.9@571.18,1706.14 v1@571.18,1766.18 ; v1(2765,1600) 2765,1580.46 2774.89,1570.57 2774.89,1507.12 U5.43@2776.57,1505.43
  Bottom Layer w10: v1(575,1770) 640,1770 708,1702 796.6,1702 824.6,1730 2134.09,1730 2205.66,1658.43 2486.57,1658.43 2581,1564 2732.26,1564 v1@2768.26,1600
SCL: R41.2 U5.95 U6.6 | length 1143.1
  Top Layer w8: U5.95@3012.8,934.57 3012.8,712.8 3010,710 v1(3020,710) ; R41.2@3577.56,710 v1@3625,710 ; v1(3780,685) U6.6@3780,761.3
  Bottom Layer w8: v1(3020,710) 3022,712 3623,712 3625,710 3664,671 3766,671 v1(3780,685)
  other v1: 3620,710
SCOPE0: pad.0@2695,1760 U5.53 | length 484.2
  Top Layer w8: U5.53@2569.88,1416.85 2533.15,1416.85 2520,1430 2520,1630 2605,1715 2650,1715 pad.0@2695,1760
SCOPE1: pad.0@2595,1760 U5.54 | length 452.4
  Top Layer w8: U5.54@2569.88,1397.17 2527.83,1397.17 2504,1421 2504,1636.63 2595,1727.63 pad.0@2595,1760
SCOPE2: pad.0@2495,1760 U5.55 | length 435.8
  Top Layer w8: pad.0@2488,1753 2488,1414.37 2524.89,1377.48 U5.55@2569.88,1377.48
SCOPE3: pad.0@2395,1760 U5.56 | length 508.4
  Top Layer w8: pad.0@2395,1760 2395,1747 2472,1670 2472,1398 2512.2,1357.8 U5.56@2569.88,1357.8
SCOPE4: pad.0@2295,1760 U5.57 | length 571.3
  Top Layer w8: pad.0@2295,1760 2456,1599 2456,1391.37 2509.26,1338.11 U5.57@2569.88,1338.11
SCOPE5: U5.58
SCOPE6: U5.59
SCOPE7: U5.60
SCOPE8: U5.61
SDA: R44.2 U5.96 U6.5 | length 1219.7
  Top Layer w8: U5.96@3032.48,934.57 3032.48,742.52 3055,720 v1(3055,655) ; R44.2@3577.56,650 3620,650 v1@3625,655 ; v1@3830,655 U6.5@3830,761.3
  Bottom Layer w8: v1(3055,655) 3625,655 v1@3830,655
  other v1: 3620,655 3840,655
TEMP: J7.5 R61.2 | length 105.2
  Top Layer w10: R61.2@5405,1147.56 5442.94,1147.56 J7.5@5490.5,1100
TEMP_ADC: C37.2 R61.1 R64.2 U5.29 | length 3217.6
  Top Layer w8: v1(3030,1695) 3046.66,1678.34 3046.66,1565.34 3052.17,1559.84 U5.29@3052.17,1505.43 ; v1(4659,1070) v1@4659.93,1605 ; v1(5285,1050) C37.2@5285,1092.44
  Top Layer w10: C37.2@5285,1092.44 R64.2@5345,1092.44 R61.1@5405,1092.44
  Bottom Layer w8: v1(3030,1695) 3030,1705 3282.37,1705 3370.37,1617 4648,1617 v1(4660,1605) ; v1(4659,1070) 4657,1072 5263,1072 v1(5285,1050)
TEMPA1: J7.1 U5.3 | length 2834.9
  Top Layer w8: U5.3@3180.12,1023.15 3205.99,1023.15 3221.14,1008 3268,1008 v1(3270,1010) ; v1(5220,1010) 5222,1012 5222,1124.82 5208,1138.82 5208,1163 5230,1185 v1(5230,1385) ; v1(5405,1385) 5490,1300 J7.1@5490.5,1300
  Bottom Layer w8: v1@3270,1005 3280,1015 3305,1015 3425,895 3826.82,895 3868.82,937 4082,937 4135,990 5200,990 v1(5220,1010) ; v1(5230,1385) v1(5405,1385)
TEMPA2: J7.3 U5.4 | length 2583.3
  Top Layer w8: U5.4@3180.12,1042.83 3222.17,1042.83 3235,1030 v1(3240,1035) ; v1(5195,1045) 5192,1048 5192,1197 v1(5195,1200) ; v1(5420,1195) J7.3@5485.5,1195
  Bottom Layer w8: v1(3240,1035) 3245,1040 3305,1040 3434,911 3820.19,911 3862.19,953 4075.37,953 4128.37,1006 5156,1006 v1(5195,1045) ; v1(5195,1200) 5415,1200 v1(5420,1195)
TEMPAN1: J4.2 U5.1 | length 3129.2
  Top Layer w8: J4.2@509.5,1300 540,1300 570,1330 570,1325 v1(575,1320) ; v1(3040,1010) v1@3040,1020 ; v1(3040,1330) 3038.37,1328.37 3038.37,1271 3029,1261.63 3029,1186.37 2985,1142.37 2985,1075 v1@3040,1020 ; U5.1@3160.43,983.78 3159.65,983 3077,983 v1@3040,1020
  Bottom Layer w8: v1(575,1320) 595.56,1299.44 913.62,1299.44 913.74,1299.56 1139.95,1299.56 1167.04,1272.47 1549.29,1272.47 1586.82,1310 2086,1310 2147,1371 2630.36,1371 2651.36,1350 3020,1350 v1(3040,1330)
TEMPAN2: J4.4 U5.2 | length 3028.8
  Top Layer w8: J4.4@509.5,1200 554.5,1245 v1(570,1245) ; v1(3056,1228) 3045,1217 3045,1179.74 3005.13,1139.87 3005.13,1081.69 3048.82,1038 3050.18,1038 3067,1021.18 3067,1019.82 3071.82,1015 v1@3100,1015 ; v1@3095,1020 v1@3100,1020 ; v1(3100,1010) v1@3100,1015 ; U5.2@3160.43,1003.46 3116.54,1003.46 v1@3100,1020 ; v1@3100,1015 v1@3100,1020
  Bottom Layer w8: v1(570,1245) 1061.93,1245 1068.46,1238.47 1721.53,1238.47 1753.06,1270 2262.37,1270 2319.37,1213 2366.18,1213 2377.18,1224 2652.18,1224 2708.18,1280 3004,1280 v1(3056,1228) v1@3056,1226
TEMPN: J4.6 R70.2 | length 86.6
  Top Layer w8: J4.6@509.5,1100 512.06,1102.56 R70.2@595,1102.56
TEMPN_ADC: C43.2 R70.1 R73.2 U5.30 | length 2886.7
  Top Layer w8: R70.1@595,1047.44 R73.2@655,1047.44 C43.2@715,1047.44 762.44,1047.44 v1(765,1050) ; v1(1405,1165) 1430,1165 1485,1220 v1(1485,1515) ; v1@3012.5,1572.5 3029.7,1555.3 3029.7,1508.21 U5.30@3032.48,1505.43
  Bottom Layer w8: v1(765,1050) 975,1050 1090,1165 v1(1405,1165) ; v1(1485,1515) 2940,1515 3000,1575 v1(3015,1575)
TERM_EN: R17.2 U5.5 | length 2368.8
  Top Layer w8: v1(1085,1040) 1085,892.44 R17.2@1087.44,890 ; v1@3055,1070 3087,1038 3111.18,1038 3135.7,1062.52 U5.5@3160.43,1062.52
  Bottom Layer w8: v1@1080,1045 1577.37,1045 1702.37,920 2280,920 2352,992 2488.07,992 2566.07,1070 v1@3055,1070
  other v1: 3060,1065
V_ERROR_LED: R47.1 U5.85 | length 2058.9
  Top Layer w8: v1@1572,435 v1(1580,435) 1567,422 1567,228 1595,200 R47.1@1662.44,200 ; v1(2785,455) 2785,485 2815.94,515.94 U5.85@2815.94,934.57
  Bottom Layer w8: v1(1580,435) 1618,473 2777,473 2785,465 v1(2785,455) v1@2790,455
VA_ADC: C36.2 R60.1 R63.2 U5.15 | length 3856.6
  Top Layer w8: v1@5030,1360 v1(5030,1735)
  Top Layer w10: U5.15@3160.43,1259.37 3209.72,1259.37 3220.09,1249 3360.37,1249 3416,1304.63 3416,1365.41 3424.93,1374.34 3425.25,1374.34 3489,1438.09 3489,1699 3500,1710 3500,1715 ; v1@5030,1360 v1(5035,1355) ; v1(5520,1355) 5554.54,1355 5582,1327.54 5582,1246.46 5601,1227.46 5601,1169.46 5619,1151.46 5619,976.91 5630.91,965 5777.56,965 R60.1@5790,977.44 R63.2@5850,977.44 C36.2@5910,977.44
  Bottom Layer w8: 3512,1742 5023,1742 v1(5030,1735)
  Bottom Layer w10: v1(5035,1355) v1(5520,1355)
  other v1: 3500,1730
VA_RAW: J7.8 R60.2 | length 94
  Top Layer w10: J7.8@5709.5,1000 5742.06,1032.56 R60.2@5790,1032.56
VB_ADC: C42.2 R69.1 R72.2 U5.16 | length 3986.4
  Top Layer w8: v1(4910,1320) v1(4910,1715)
  Top Layer w10: U5.16@3160.43,1279.06 3215.49,1279.06 3227.54,1267 3352.91,1267 3398,1312.09 3398,1372.86 3417.47,1392.34 3417.79,1392.34 3471,1445.54 3471,1699 3455,1715 v1(3455,1735) ; v1(5535,1250) 5540,1255 5548,1255 5583,1220 5583,1162 5601,1144 5601,969.46 5619,951.46 5619,876 5635,860 5782.56,860 R69.1@5790,867.44 R72.2@5850,867.44 C42.2@5910,867.44
  Bottom Layer w8: v1(3455,1735) 3455,1715 3467,1703 3511.18,1703 3534.18,1726 4899,1726 v1(4910,1715)
  Bottom Layer w10: v1@4910,1315 5470,1315 v1(5535,1250)
VB_RAW: J7.10 R69.2 | length 89.8
  Top Layer w10: J7.10@5709.5,900 5732.06,922.56 R69.2@5790,922.56
VBUS_ADC: C48.2 R78.1 R81.2 U5.26 | length 3278.1
  Top Layer w8: v1@5122,1383 5122,838 5227.56,732.44 C48.2@5285,732.44
  Top Layer w10: U5.26@3111.22,1525 3150,1525 3175,1550 3175,1671 v1@3182,1678 ; v1(4500,1585) v1@4500,1595 ; v1@4505,1377.5 v1(4505,1380) v1@4505,1585 ; C48.2@5285,732.44 R81.2@5345,732.44 R78.1@5405,732.44
  Bottom Layer w8: v1(3175,1675) 3189,1689 3275.75,1689 3364.75,1600 4475,1600 4490,1585 v1(4500,1585)
  Bottom Layer w10: v1@4510,1385 v1(5120,1385)
VBUS_RAW: J7.11 R78.2 | length 90.7
  Top Layer w10: R78.2@5405,787.56 5478.06,787.56 J7.11@5490.5,800
VC_ADC: C47.2 R77.1 R80.2 U5.17 | length 4072.5
  Top Layer w8: v1@4858,1277 4858,1683 v1(4865,1690)
  Top Layer w10: U5.17@3160.43,1298.74 3221.26,1298.74 3235,1285 3345.46,1285 3380,1319.54 3380,1380.32 3410.02,1410.34 3410.34,1410.34 3453,1453 3453,1672 3410,1715 v1(3410,1735) ; v1@4857,1278 v1@4858,1277 ; v1(5535,1150) 5555,1150 5583,1122 5583,962 5601,944 5601,859 5610,850 5610,790 5642.56,757.44 R77.1@5790,757.44 R80.2@5850,757.44 C47.2@5910,757.44
  Bottom Layer w8: v1(3410,1735) 3458,1687 3517.81,1687 3540.81,1710 4850,1710 4865,1695 v1(4865,1690)
  Bottom Layer w10: v1(4860,1275) 5075,1275 5091,1291 5394,1291 v1(5535,1150)
VC_RAW: J7.12 R77.2 | length 85.7
  Top Layer w10: J7.12@5709.5,800 5722.06,812.56 R77.2@5790,812.56
VCAP_1: C21.1 U5.49 | length 122.5
  Top Layer w8: U5.49@2658.46,1525.12 2658.46,1573.46 2695,1610 C21.1@2695,1632.44
VCAP_2: C20.1 U5.73 | length 163.5
  Top Layer w8: C20.1@2445,977.56 2490.59,1023.15 U5.73@2569.88,1023.15 U5.73@2589.57,1023.15
VGATE_ADC: C50.2 R84.1 R85.2 U5.33 | length 3505.8
  Top Layer w8: U5.33@2973.43,1505.43 v1@2973.43,1711.57
  Top Layer w10: v1@4760,1665 4775,1650 v1(4775,1250) ; v1(5150,1245) 5150,915 5222.56,842.44 R84.1@5405,842.44
  Bottom Layer w8: v1@2973.43,1711.57 2983.85,1722 3288,1722 3377,1633 4733,1633 v1(4765,1665) v1@4760,1665
  Bottom Layer w10: v1@4775,1260 v1(4775,1250) v1@4780,1250 ; v1@4780,1240.4 4780,1230 4793,1217 5122,1217 v1(5150,1245)
  other v1: 2973.43,1701.57
VGATE_RAW: J7.9 R84.2 | length 86.5
  Top Layer w10: R84.2@5405,897.56 5488.06,897.56 J7.9@5490.5,900
VN_ADC: C49.2 R82.1 R83.2 U5.18 | length 4091.2
  Top Layer w8: v1(4815,1245) v1@4815,1670
  Top Layer w10: U5.18@3160.43,1318.43 3227.17,1318.43 3238.28,1307.31 3342.31,1307.31 3360,1325 3360,1390 3435,1465 3435,1650 v1@3392.5,1692.5 ; v1(5535,950) 5560,950 5582,928 5582,848 5590,840 5590,710 5652.56,647.44 R82.1@5790,647.44 R83.2@5850,647.44 C49.2@5910,647.44
  Bottom Layer w8: v1(3390,1690) 3410,1690 3435,1665 3518.44,1665 3547.44,1694 4791,1694 v1(4810,1675)
  Bottom Layer w10: v1(4815,1245) 5070.46,1245 5098.46,1273 5382,1273 5490,1165 5490,995 v1(5535,950)
VN_RAW: J7.14 R82.2 | length 81.6
  Top Layer w10: J7.14@5709.5,700 5712.06,702.56 R82.2@5790,702.56
WARNING: R45.1 U5.87 | length 1729.9
  Top Layer w8: R45.1@1662.44,365 1662.44,369.56 1688.22,395.34 1688.22,523.22 1720,555 v1(1720,565) ; v1@2855.31,584.68 U5.87@2855.31,934.57
  Bottom Layer w8: v1(1720,565) 1730,565 1742,553 2693,553 2720,580 v1(2860,580)
pads on no net: D5.2 D7.2 J1.0 J2.3 J3.0 J4.0 J7.0 SW1.3 SW1.4 SW2.3 SW2.4 U5.7 U5.8 U5.9 U5.32 U5.38 U5.45 U5.68 U5.69 U5.70 U5.71 U5.78 U5.79 U5.80 U5.92 U5.93 U5.98 U6.1 U6.2 U6.3 U7.11 U8.11 U9.13 U12.8 U12.9 U14.13

## Polygon pours and split planes (outlines as drawn)
GND on GND "PWR-No Net" (solid, remove dead copper, pour order 4): 25,1775 25,25 30,30 5975,25 5975,1775
+3.3V on PWR "PWR-No Net" (solid, remove dead copper, pour order 2): 25,1775 25,25 5975,25 5975,1775

## Other copper
Top Layer:
  text "FSE" at 5385,50 h150
PWR:
  pour cut-out: 3649,1399.13 3658,1391.13 3663,1385.13 3671,1375.13 3676,1365.13 3681,1354.13 3684,1339.13 3685,1328.13 3685,1070.13 3682,1054.13 3677,1038.13 3670,1025.13 3660,1012.13 3644,998.13 3626,988.13 3611,983.13 3595,981.13 3583,981.13 3568,984.13 3551,991.13 3537,999.13 3520,1014.13 3511,1027.13 3502,1046.13 3499,1060.13 3497,1077.13 3497,1324.13 3498,1337.13 3500,1347.13 3502.74,1356.26 3507,1366.13 3512,1376.13 3518,1384.13 3527,1393.13 3537,1401.13 3550,1410.13 3564,1415.13 3579,1418.13 3591,1419.13 3603,1418.13 3613,1416.13 3625,1413.13 3634,1408.13 3641,1404.13
GND:
  pour cut-out: 3649,1399.13 3658,1391.13 3663,1385.13 3671,1375.13 3676,1365.13 3681,1354.13 3684,1339.13 3685,1328.13 3685,1070.13 3682,1054.13 3677,1038.13 3670,1025.13 3660,1012.13 3644,998.13 3626,988.13 3611,983.13 3595,981.13 3583,981.13 3568,984.13 3551,991.13 3537,999.13 3520,1014.13 3511,1027.13 3502,1046.13 3499,1060.13 3497,1077.13 3497,1324.13 3498,1337.13 3500,1347.13 3502.74,1356.26 3507,1366.13 3512,1376.13 3518,1384.13 3527,1393.13 3537,1401.13 3550,1410.13 3564,1415.13 3579,1418.13 3591,1419.13 3603,1418.13 3613,1416.13 3625,1413.13 3634,1408.13 3641,1404.13
Bottom Layer:
  text "fullCURRENT smarts 3.0" at 5050,205 h75
  text "Jonathan Nutzmann" at 5050,140 h75
  text "Full Steam Engineering" at 5050,75 h75
  text "FSE" at 5545,75 h300

## Silkscreen, mask and mechanical layers (free items; w line width, h text height)
Top Overlay:
  text "fullCURRENT" at 5270,225 h75
  text "smarts 3.0" at 5270,165 h75
Top Solder:
  text "FSE" at 5385,50 h150
Bottom Solder:
  text "fullCURRENT smarts 3.0" at 5050,205 h75
  text "Jonathan Nutzmann" at 5050,140 h75
  text "Full Steam Engineering" at 5050,75 h75
  text "FSE" at 5545,75 h300
Mechanical 1:
  the board outline again, w10